# Allegro board 8880F5-0825_4.brd (continued)
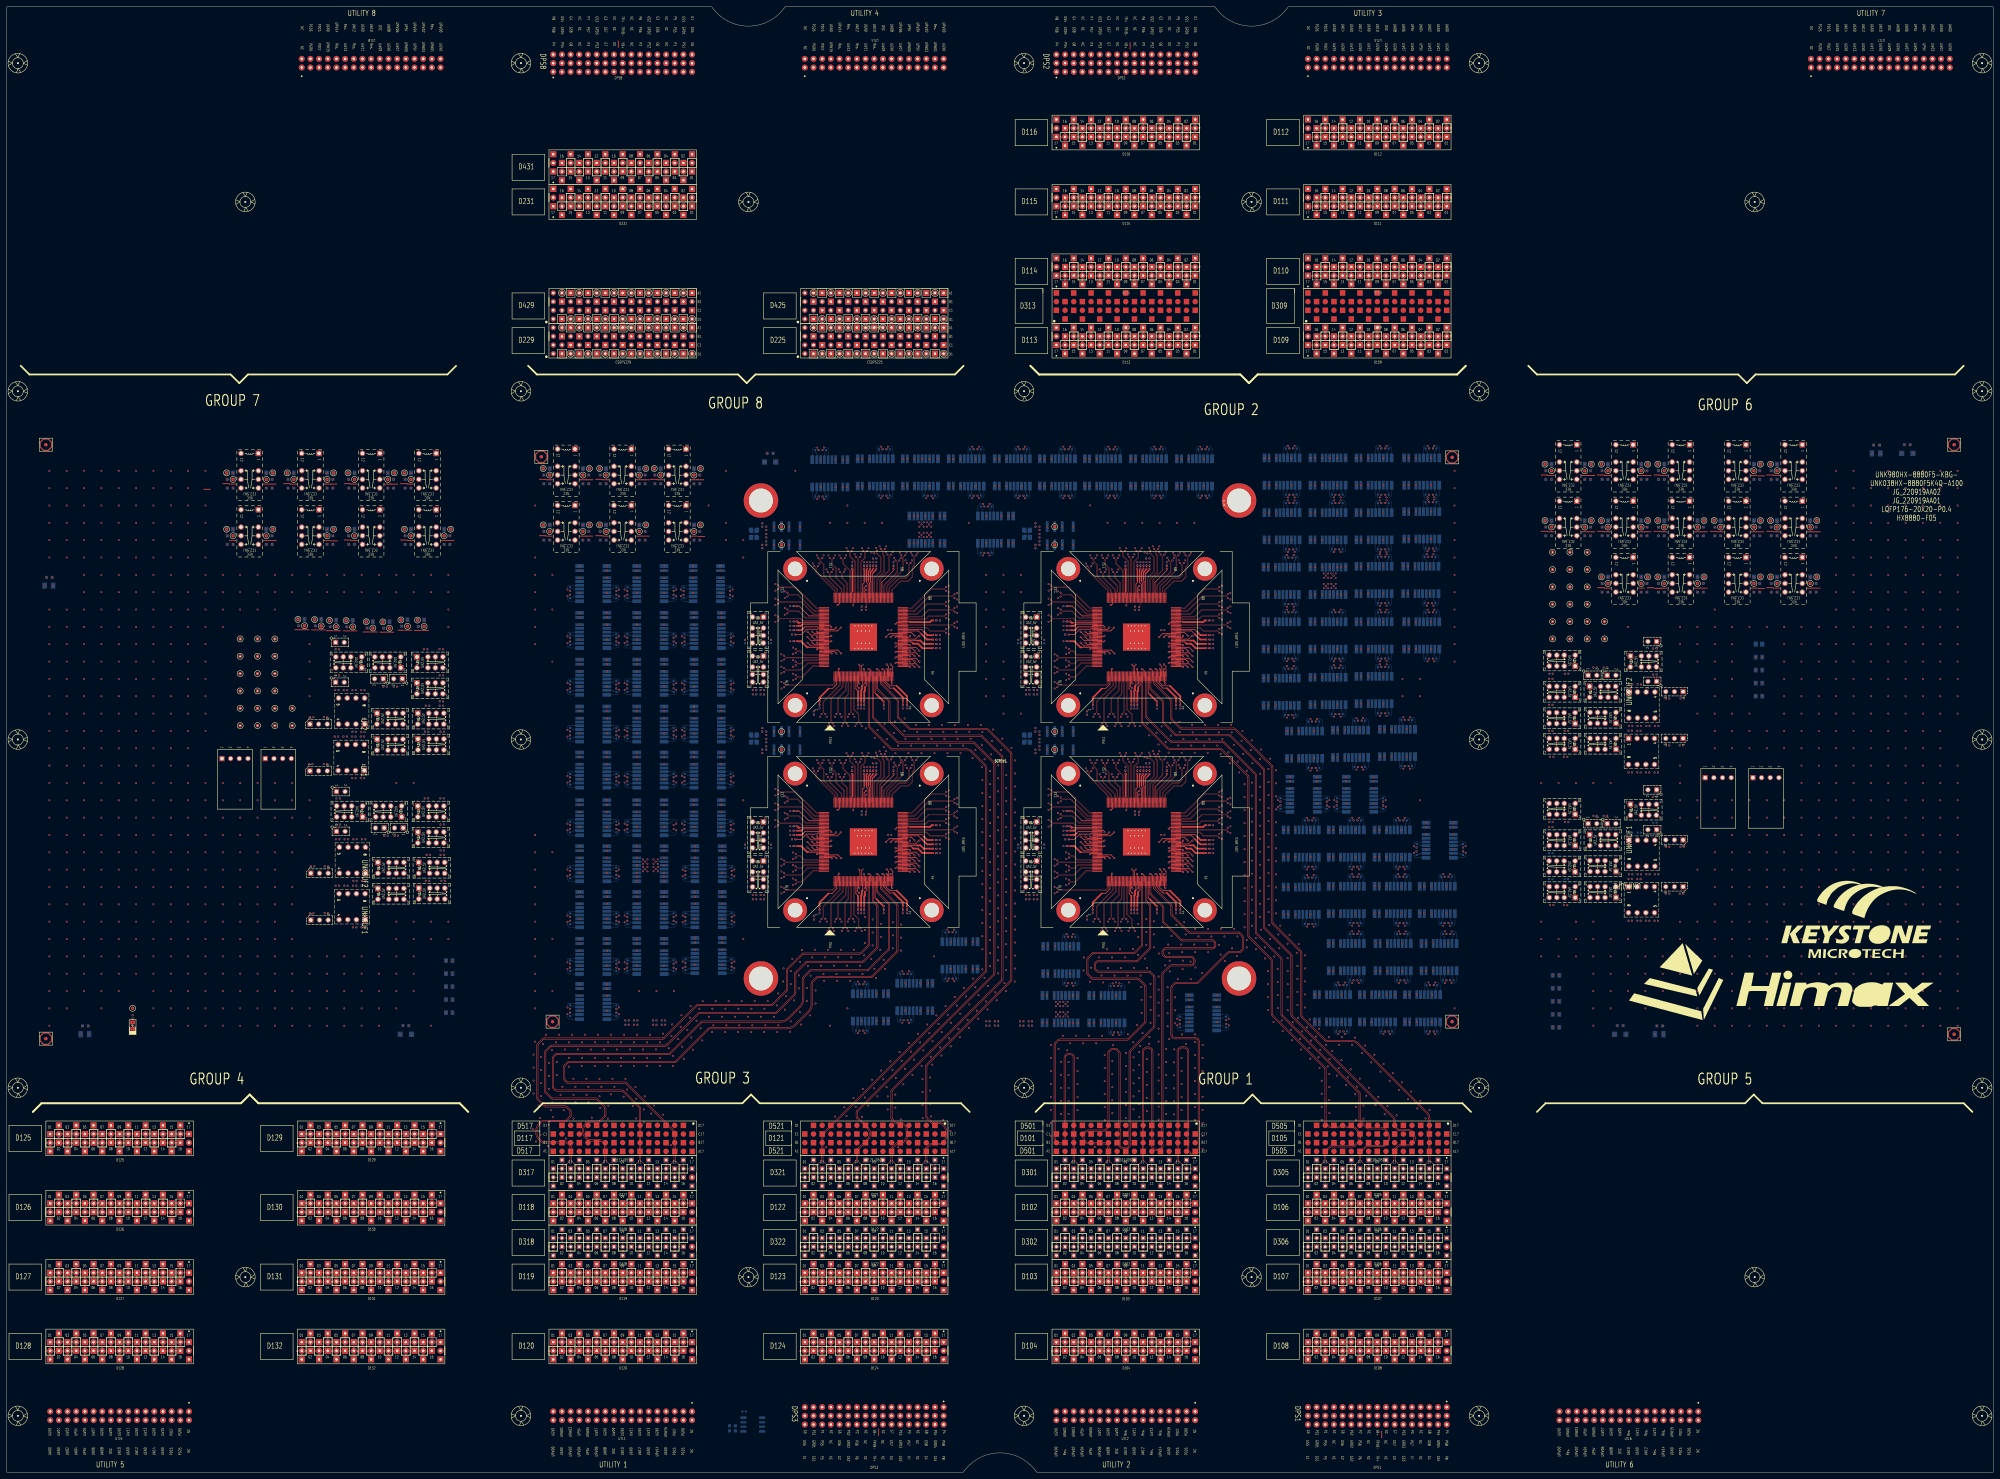
[diagram p0: board, top side]
## Routing (per net, layer and track width the routed paths; a pad name or vN(x,y) marks a point on that pad's centre or on a via; arc(x,y) is an arc through that point) (continued)
; D301.B15 343.61,88.9 ; D301.B15 342.9,89.61 ; D301.B15 342.9,88.19 ; D301.B15 342.19,88.9 ; 20.32,95.71 D125.A4 ; D125.A4 20.32,97.33 ; D125.A4 21.13,96.52 ; D125.A4 19.51,96.52 ; D114.B7 333.55,350.52 ; D114.B7 332.74,349.71 ; D114.B7 331.93,350.52 ; D114.B7 332.74,351.33 ; SITE1.G19 251.43,246.91 ; SITE1.G19 251.91,246.43 ; SITE1.G19 251.43,245.95 ; SITE1.G19 250.95,246.43 ; 401.32,375.11 D111.A9 ; D111.A9 401.32,376.73 ; D111.A9 402.13,375.92 ; D111.A9 400.51,375.92 ; DPS1.A01 381,14.78 ; DPS1.A01 381,13.16 ; DPS1.A01 381.81,13.97 ; DPS1.A01 380.19,13.97 ; 325.12,387.81 D116.B10 ; D116.B10 325.93,388.62 ; D116.B10 324.31,388.62 ; D116.B10 325.12,389.43 ; D302.A3 313.13,63.5 ; D302.A3 312.42,64.21 ; D302.A3 312.42,62.79 ; D302.A3 311.71,63.5 ; 325.12,55.07 D103.A8 ; D103.A8 324.31,55.88 ; D103.A8 325.12,56.69 ; D103.A8 325.93,55.88 ; D431.A1 200.66,386.89 ; D431.A1 200.66,385.27 ; D431.A1 199.85,386.08 ; D431.A1 201.47,386.08 ; 406.4,62.79 D306.A11 ; D306.A11 405.69,63.5 ; D306.A11 406.4,64.21 ; D306.A11 407.11,63.5 ; 309.88,60.15 D103.B2 ; D103.B2 309.88,61.77 ; D103.B2 309.07,60.96 ; D103.B2 310.69,60.96 ; D305.A13 412.19,83.82 ; D305.A13 411.48,83.11 ; D305.A13 411.48,84.53 ; D305.A13 410.77,83.82 ; 249.33,240.85 SITE1.G2 ; SITE1.G2 249.81,241.33 ; SITE1.G2 248.85,241.33 ; SITE1.G2 249.33,241.81 ; D126.A3 17.78,74.47 ; D126.A3 17.78,72.85 ; D126.A3 18.59,73.66 ; D126.A3 16.97,73.66 ; 263.45,83.82 D321.A13 ; D321.A13 264.87,83.82 ; D321.A13 264.16,83.11 ; D321.A13 264.16,84.53 ; D317.B3 165.1,89.61 ; D317.B3 164.39,88.9 ; D317.B3 165.1,88.19 ; D317.B3 165.81,88.9 ; D109.B13 391.97,330.2 ; D109.B13 391.16,331.01 ; D109.B13 391.16,329.39 ; D109.B13 390.35,330.2 ; 309.07,81.28 D102.B2 ; D102.B2 309.88,82.09 ; D102.B2 309.88,80.47 ; D102.B2 310.69,81.28 ; 390.35,33.02 D108.A5 ; D108.A5 391.16,33.83 ; D108.A5 391.97,33.02 ; D108.A5 391.16,32.21 ; D123.A10 257.35,55.88 ; D123.A10 255.73,55.88 ; D123.A10 256.54,56.69 ; D123.A10 256.54,55.07 ; D104.A7 323.39,33.02 ; D104.A7 322.58,33.83 ; D104.A7 322.58,32.21 ; D104.A7 321.77,33.02 ; 342.09,391.16 D116.B3 ; D116.B3 342.9,391.97 ; D116.B3 343.71,391.16 ; D116.B3 342.9,390.35 ; 189.69,340.36 CSDPS429.C5 ; CSDPS429.C5 190.5,339.55 ; CSDPS429.C5 191.31,340.36 ; CSDPS429.C5 190.5,341.17 ; 347.17,391.16 D116.B1 ; D116.B1 347.98,390.35 ; D116.B1 348.79,391.16 ; D116.B1 347.98,391.97 ; D122.B13 264.97,78.74 ; D122.B13 264.16,77.93 ; D122.B13 264.16,79.55 ; D122.B13 263.35,78.74 ; D318.A9 180.34,64.21 ; D318.A9 179.63,63.5 ; D318.A9 180.34,62.79 ; D318.A9 181.05,63.5 ; 190.5,52.53 D119.A13 ; D119.A13 190.5,54.15 ; D119.A13 189.69,53.34 ; D119.A13 191.31,53.34 ; D124.A14 266.7,36.37 ; D124.A14 266.7,34.75 ; D124.A14 265.89,35.56 ; D124.A14 267.51,35.56 ; 251.46,342.09 CSDPS425.B10 ; CSDPS425.B10 250.65,342.9 ; CSDPS425.B10 252.27,342.9 ; CSDPS425.B10 251.46,343.71 ; 385.27,375.92 D111.A15 ; D111.A15 386.08,376.73 ; D111.A15 386.08,375.11 ; D111.A15 386.89,375.92 ; 159.31,83.82 D317.A1 ; D317.A1 160.73,83.82 ; D317.A1 160.02,84.53 ; D317.A1 160.02,83.11 ; D123.B16 272.59,60.96 ; D123.B16 270.97,60.96 ; D123.B16 271.78,60.15 ; D123.B16 271.78,61.77 ; D302.B3 312.42,69.29 ; D302.B3 312.42,67.87 ; D302.B3 313.13,68.58 ; D302.B3 311.71,68.58 ; D125.B9 33.02,99.87 ; D125.B9 33.02,98.25 ; D125.B9 33.83,99.06 ; D125.B9 32.21,99.06 ; D123.B15 270.05,58.42 ; D123.B15 268.43,58.42 ; D123.B15 269.24,57.61 ; D123.B15 269.24,59.23 ; 20.32,75.39 D126.A4 ; D126.A4 20.32,77.01 ; D126.A4 19.51,76.2 ; D126.A4 21.13,76.2 ; 330.2,60.15 D103.B10 ; D103.B10 329.39,60.96 ; D103.B10 330.2,61.77 ; D103.B10 331.01,60.96 ; UNK4U2.4 482.49,172.45 ; UNK4U2.4 483.43,171.51 ; UNK4U2.4 482.49,170.56 ; UNK4U2.4 481.55,171.51 ; D111.A10 398.78,374.19 ; D111.A10 398.78,372.57 ; D111.A10 397.97,373.38 ; D111.A10 399.59,373.38 ; 179.63,83.82 D317.A9 ; D317.A9 180.34,84.53 ; D317.A9 181.05,83.82 ; D317.A9 180.34,83.11 ; 408.13,327.66 D109.B6 ; D109.B6 409.75,327.66 ; D109.B6 408.94,326.85 ; D109.B6 408.94,328.47 ; D126.A14 45.72,77.01 ; D126.A14 45.72,75.39 ; D126.A14 44.91,76.2 ; D126.A14 46.53,76.2 ; D102.A2 309.88,77.01 ; D102.A2 309.88,75.39 ; D102.A2 310.69,76.2 ; D102.A2 309.07,76.2 ; 121.11,99.06 D129.B15 ; D129.B15 121.92,98.25 ; D129.B15 122.73,99.06 ; D129.B15 121.92,99.87 ; D125.B12 41.45,101.6 ; D125.B12 40.64,100.79 ; D125.B12 40.64,102.41 ; D125.B12 39.83,101.6 ; D123.B9 254,59.23 ; D123.B9 254,57.61 ; D123.B9 254.81,58.42 ; D123.B9 253.19,58.42 ; D317.A6 172.72,87.07 ; D317.A6 172.01,86.36 ; D317.A6 172.72,85.65 ; D317.A6 173.43,86.36 ; D301.A4 314.96,87.07 ; D301.A4 315.67,86.36 ; D301.A4 314.25,86.36 ; D301.A4 314.96,85.65 ; SITE1.G9 250.81,247.93 ; SITE1.G9 249.85,247.93 ; SITE1.G9 250.33,247.45 ; SITE1.G9 250.33,248.41 ; D109.B5 412.29,330.2 ; D109.B5 410.67,330.2 ; D109.B5 411.48,331.01 ; D109.B5 411.48,329.39 ; D131.A9 107.49,53.34 ; D131.A9 105.87,53.34 ; D131.A9 106.68,52.53 ; D131.A9 106.68,54.15 ; D318.B7 175.26,69.29 ; D318.B7 174.55,68.58 ; D318.B7 175.26,67.87 ; D318.B7 175.97,68.58 ; 255.73,342.9 CSDPS425.B8 ; CSDPS425.B8 257.35,342.9 ; CSDPS425.B8 256.54,342.09 ; CSDPS425.B8 256.54,343.71 ; CSDPS229.B14 167.64,333.55 ; CSDPS229.B14 167.64,331.93 ; CSDPS229.B14 166.83,332.74 ; CSDPS229.B14 168.45,332.74 ; D126.A8 31.29,76.2 ; D126.A8 30.48,77.01 ; D126.A8 29.67,76.2 ; D126.A8 30.48,75.39 ; D128.B4 21.13,40.64 ; D128.B4 19.51,40.64 ; D128.B4 20.32,41.45 ; D128.B4 20.32,39.83 ; SITE4.G16 333.11,182.83 ; SITE4.G16 332.63,183.31 ; SITE4.G16 332.15,182.83 ; SITE4.G16 332.63,182.35 ; 416.56,354.79 D110.A3 ; D110.A3 415.75,355.6 ; D110.A3 416.56,356.41 ; D110.A3 417.37,355.6 ; D317.A10 183.59,86.36 ; D317.A10 182.88,87.07 ; D317.A10 182.17,86.36 ; D317.A10 182.88,85.65 ; 411.48,370.03 D111.B5 ; D111.B5 411.48,371.65 ; D111.B5 412.29,370.84 ; D111.B5 410.67,370.84 ; D103.B4 315.77,60.96 ; D103.B4 314.15,60.96 ; D103.B4 314.96,61.77 ; D103.B4 314.96,60.15 ; 169.37,386.08 D431.A13 ; D431.A13 170.18,386.89 ; D431.A13 170.99,386.08 ; D431.A13 170.18,385.27 ; 123.65,60.96 D131.B16 ; D131.B16 125.27,60.96 ; D131.B16 124.46,61.77 ; D131.B16 124.46,60.15 ; 195.58,385.27 D431.A3 ; D431.A3 195.58,386.89 ; D431.A3 196.39,386.08 ; D431.A3 194.77,386.08 ; 330.2,367.49 D115.B8 ; D115.B8 330.2,369.11 ; D115.B8 331.01,368.3 ; D115.B8 329.39,368.3 ; 197.41,91.44 D317.B16 ; D317.B16 198.83,91.44 ; D317.B16 198.12,90.73 ; D317.B16 198.12,92.15 ; D103.B12 335.28,61.77 ; D103.B12 336.09,60.96 ; D103.B12 334.47,60.96 ; D103.B12 335.28,60.15 ; 342.9,354.79 D114.A3 ; D114.A3 342.09,355.6 ; D114.A3 342.9,356.41 ; D114.A3 343.71,355.6 ; D129.B12 115.11,101.6 ; D129.B12 114.3,100.79 ; D129.B12 113.49,101.6 ; D129.B12 114.3,102.41 ; D305.B15 416.56,89.61 ; D305.B15 416.56,88.19 ; D305.B15 415.85,88.9 ; D305.B15 417.27,88.9 ; 401.32,88.19 D305.B9 ; D305.B9 400.61,88.9 ; D305.B9 402.03,88.9 ; D305.B9 401.32,89.61 ; 189.69,330.2 CSDPS229.C5 ; CSDPS229.C5 191.31,330.2 ; CSDPS229.C5 190.5,331.01 ; CSDPS229.C5 190.5,329.39 ; 177.8,80.47 D118.B8 ; D118.B8 177.8,82.09 ; D118.B8 176.99,81.28 ; D118.B8 178.61,81.28 ; 187.15,76.2 D118.A12 ; D118.A12 188.77,76.2 ; D118.A12 187.96,77.01 ; D118.A12 187.96,75.39 ; D119.A14 193.04,56.69 ; D119.A14 193.85,55.88 ; D119.A14 192.23,55.88 ; D119.A14 193.04,55.07 ; D132.A12 114.3,36.37 ; D132.A12 115.11,35.56 ; D132.A12 114.3,34.75 ; D132.A12 113.49,35.56 ; D108.B15 416.56,38.91 ; D108.B15 417.37,38.1 ; D108.B15 415.75,38.1 ; D108.B15 416.56,37.29 ; 88.9,100.79 D129.B2 ; D129.B2 88.09,101.6 ; D129.B2 88.9,102.41 ; D129.B2 89.71,101.6 ; 400.61,83.82 D305.A9 ; D305.A9 401.32,83.11 ; D305.A9 402.03,83.82 ; D305.A9 401.32,84.53 ; 116.03,93.98 D129.A13 ; D129.A13 116.84,93.17 ; D129.A13 117.65,93.98 ; D129.A13 116.84,94.79 ; D118.B7 175.26,79.55 ; D118.B7 175.26,77.93 ; D118.B7 174.45,78.74 ; D118.B7 176.07,78.74 ; D118.A9 181.15,73.66 ; D118.A9 180.34,72.85 ; D118.A9 179.53,73.66 ; D118.A9 180.34,74.47 ; D302.B6 320.04,71.83 ; D302.B6 319.33,71.12 ; D302.B6 320.04,70.41 ; D302.B6 320.75,71.12 ; 251.43,242.35 SITE1.G15 ; SITE1.G15 250.95,242.83 ; SITE1.G15 251.43,243.31 ; SITE1.G15 251.91,242.83 ; D231.B1 201.47,370.84 ; D231.B1 200.66,370.03 ; D231.B1 200.66,371.65 ; D231.B1 199.85,370.84 ; 332.63,185.95 SITE4.G20 ; SITE4.G20 333.11,186.43 ; SITE4.G20 332.15,186.43 ; SITE4.G20 332.63,186.91 ; D110.B11 397.05,350.52 ; D110.B11 395.43,350.52 ; D110.B11 396.24,349.71 ; D110.B11 396.24,351.33 ; D130.B5 96.52,79.55 ; D130.B5 97.33,78.74 ; D130.B5 96.52,77.93 ; D130.B5 95.71,78.74 ; D118.B1 160.83,78.74 ; D118.B1 160.02,79.55 ; D118.B1 160.02,77.93 ; D118.B1 159.21,78.74 ; 200.66,339.55 CSDPS429.C1 ; CSDPS429.C1 199.85,340.36 ; CSDPS429.C1 200.66,341.17 ; CSDPS429.C1 201.47,340.36 ; 325.12,65.33 D302.A8 ; D302.A8 324.41,66.04 ; D302.A8 325.83,66.04 ; D302.A8 325.12,66.75 ; 95.71,99.06 D129.B5 ; D129.B5 97.33,99.06 ; D129.B5 96.52,98.25 ; D129.B5 96.52,99.87 ; 335.28,347.17 D114.B6 ; D114.B6 334.47,347.98 ; D114.B6 335.28,348.79 ; D114.B6 336.09,347.98 ; 264.16,72.85 D122.A13 ; D122.A13 263.35,73.66 ; D122.A13 264.97,73.66 ; D122.A13 264.16,74.47 ; D231.B13 170.18,371.65 ; D231.B13 169.37,370.84 ; D231.B13 170.18,370.03 ; D231.B13 170.99,370.84 ; SITE3.G19 251.91,186.43 ; SITE3.G19 251.43,185.95 ; SITE3.G19 250.95,186.43 ; SITE3.G19 251.43,186.91 ; 182.17,66.04 D318.A10 ; D318.A10 182.88,65.33 ; D318.A10 182.88,66.75 ; D318.A10 183.59,66.04 ; DPS8.C11 176.07,410.21 ; DPS8.C11 175.26,409.4 ; DPS8.C11 174.45,410.21 ; DPS8.C11 175.26,411.02 ; CSDPS229.C15 165.1,331.01 ; CSDPS229.C15 165.1,329.39 ; CSDPS229.C15 164.29,330.2 ; CSDPS229.C15 165.91,330.2 ; 99.06,55.07 D131.A6 ; D131.A6 98.25,55.88 ; D131.A6 99.87,55.88 ; D131.A6 99.06,56.69 ; D110.A10 399.59,353.06 ; D110.A10 397.97,353.06 ; D110.A10 398.78,352.25 ; D110.A10 398.78,353.87 ; 337.01,53.34 D103.A13 ; D103.A13 338.63,53.34 ; D103.A13 337.82,54.15 ; D103.A13 337.82,52.53 ; D119.B3 165.91,58.42 ; D119.B3 165.1,57.61 ; D119.B3 165.1,59.23 ; D119.B3 164.29,58.42 ; 322.58,329.39 D113.B11 ; D113.B11 322.58,331.01 ; D113.B11 321.77,330.2 ; D113.B11 323.39,330.2 ; D231.A3 195.58,376.73 ; D231.A3 194.77,375.92 ; D231.A3 196.39,375.92 ; D231.A3 195.58,375.11 ; D127.B15 49.07,58.42 ; D127.B15 47.45,58.42 ; D127.B15 48.26,59.23 ; D127.B15 48.26,57.61 ; 123.65,35.56 D132.A16 ; D132.A16 124.46,36.37 ; D132.A16 125.27,35.56 ; D132.A16 124.46,34.75 ; 311.61,391.16 D116.B15 ; D116.B15 313.23,391.16 ; D116.B15 312.42,390.35 ; D116.B15 312.42,391.97 ; 161.85,71.12 D318.B2 ; D318.B2 162.56,71.83 ; D318.B2 163.27,71.12 ; D318.B2 162.56,70.41 ; D119.B6 173.53,60.96 ; D119.B6 172.72,60.15 ; D119.B6 171.91,60.96 ; D119.B6 172.72,61.77 ; 333.33,187.45 SITE4.G12 ; SITE4.G12 333.81,187.93 ; SITE4.G12 332.85,187.93 ; SITE4.G12 333.33,188.41 ; D109.A7 406.4,336.09 ; D109.A7 405.59,335.28 ; D109.A7 407.21,335.28 ; D109.A7 406.4,334.47 ; D317.A16 198.83,86.36 ; D317.A16 198.12,87.07 ; D317.A16 198.12,85.65 ; D317.A16 197.41,86.36 ; 32.21,93.98 D125.A9 ; D125.A9 33.02,93.17 ; D125.A9 33.02,94.79 ; D125.A9 33.83,93.98 ; 248.21,88.9 D321.B7 ; D321.B7 249.63,88.9 ; D321.B7 248.92,88.19 ; D321.B7 248.92,89.61 ; D322.B5 244.55,68.58 ; D322.B5 243.84,69.29 ; D322.B5 243.84,67.87 ; D322.B5 243.13,68.58 ; D124.B13 264.97,38.1 ; D124.B13 264.16,38.91 ; D124.B13 263.35,38.1 ; D124.B13 264.16,37.29 ; 185.42,370.03 D231.B7 ; D231.B7 185.42,371.65 ; D231.B7 184.61,370.84 ; D231.B7 186.23,370.84 ; 248.92,37.29 D124.B7 ; D124.B7 249.73,38.1 ; D124.B7 248.92,38.91 ; D124.B7 248.11,38.1 ; D127.A12 41.45,55.88 ; D127.A12 40.64,56.69 ; D127.A12 40.64,55.07 ; D127.A12 39.83,55.88 ; 319.23,373.38 D115.A12 ; D115.A12 320.04,372.57 ; D115.A12 320.04,374.19 ; D115.A12 320.85,373.38 ; 200.66,375.11 D231.A1 ; D231.A1 199.85,375.92 ; D231.A1 201.47,375.92 ; D231.A1 200.66,376.73 ; 187.96,331.93 CSDPS229.B6 ; CSDPS229.B6 188.77,332.74 ; CSDPS229.B6 187.15,332.74 ; CSDPS229.B6 187.96,333.55 ; 326.85,58.42 D103.B9 ; D103.B9 328.47,58.42 ; D103.B9 327.66,59.23 ; D103.B9 327.66,57.61 ; 322.58,349.71 D114.B11 ; D114.B11 322.58,351.33 ; D114.B11 321.77,350.52 ; D114.B11 323.39,350.52 ; 250.75,86.36 D321.A8 ; D321.A8 252.17,86.36 ; D321.A8 251.46,87.07 ; D321.A8 251.46,85.65 ; CSDPS425.C15 239.57,340.36 ; CSDPS425.C15 238.76,341.17 ; CSDPS425.C15 238.76,339.55 ; CSDPS425.C15 237.95,340.36 ; D114.B5 337.82,351.33 ; D114.B5 338.63,350.52 ; D114.B5 337.01,350.52 ; D114.B5 337.82,349.71 ; 96.52,32.21 D132.A5 ; D132.A5 96.52,33.83 ; D132.A5 95.71,33.02 ; D132.A5 97.33,33.02 ; 104.14,80.47 D130.B8 ; D130.B8 103.33,81.28 ; D130.B8 104.14,82.09 ; D130.B8 104.95,81.28 ; 339.55,76.2 D102.A14 ; D102.A14 341.17,76.2 ; D102.A14 340.36,75.39 ; D102.A14 340.36,77.01 ; D122.B10 256.54,82.09 ; D122.B10 255.73,81.28 ; D122.B10 257.35,81.28 ; D122.B10 256.54,80.47 ; 411.48,37.29 D108.B13 ; D108.B13 410.67,38.1 ; D108.B13 411.48,38.91 ; D108.B13 412.29,38.1 ; 415.75,53.34 D107.A15 ; D107.A15 416.56,52.53 ; D107.A15 416.56,54.15 ; D107.A15 417.37,53.34 ; D108.A11 407.21,33.02 ; D108.A11 406.4,32.21 ; D108.A11 405.59,33.02 ; D108.A11 406.4,33.83 ; D112.B12 393.7,389.43 ; D112.B12 392.89,388.62 ; D112.B12 394.51,388.62 ; D112.B12 393.7,387.81 ; D305.B13 411.48,89.61 ; D305.B13 410.77,88.9 ; D305.B13 411.48,88.19 ; D305.B13 412.19,88.9 ; 383.54,372.57 D111.A16 ; D111.A16 382.73,373.38 ; D111.A16 383.54,374.19 ; D111.A16 384.35,373.38 ; 327.85,181.33 SITE4.G1 ; SITE4.G1 328.33,181.81 ; SITE4.G1 328.33,180.85 ; SITE4.G1 328.81,181.33 ; 344.63,35.56 D104.A16 ; D104.A16 345.44,34.75 ; D104.A16 346.25,35.56 ; D104.A16 345.44,36.37 ; CSDPS429.C9 181.15,340.36 ; CSDPS429.C9 179.53,340.36 ; CSDPS429.C9 180.34,341.17 ; CSDPS429.C9 180.34,339.55 ; D122.B11 259.08,79.55 ; D122.B11 258.27,78.74 ; D122.B11 259.08,77.93 ; D122.B11 259.89,78.74 ; D108.B16 419.1,41.45 ; D108.B16 419.1,39.83 ; D108.B16 418.29,40.64 ; D108.B16 419.91,40.64 ; D322.A3 239.47,63.5 ; D322.A3 238.76,64.21 ; D322.A3 238.05,63.5 ; D322.A3 238.76,62.79 ; D306.A1 381,64.21 ; D306.A1 381,62.79 ; D306.A1 381.71,63.5 ; D306.A1 380.29,63.5 ; D127.A11 38.91,53.34 ; D127.A11 38.1,54.15 ; D127.A11 38.1,52.53 ; D127.A11 37.29,53.34 ; 345.44,326.85 D113.B2 ; D113.B2 344.63,327.66 ; D113.B2 346.25,327.66 ; D113.B2 345.44,328.47 ; 108.41,60.96 D131.B10 ; D131.B10 109.22,61.77 ; D131.B10 110.03,60.96 ; D131.B10 109.22,60.15 ; 334.47,35.56 D104.A12 ; D104.A12 335.28,36.37 ; D104.A12 335.28,34.75 ; D104.A12 336.09,35.56 ; 396.24,395.43 D112.A11 ; D112.A11 395.43,396.24 ; D112.A11 396.24,397.05 ; D112.A11 397.05,396.24 ; D109.B16 383.54,328.47 ; D109.B16 382.73,327.66 ; D109.B16 384.35,327.66 ; D109.B16 383.54,326.85 ; 99.06,39.83 D132.B6 ; D132.B6 99.06,41.45 ; D132.B6 99.87,40.64 ; D132.B6 98.25,40.64 ; D301.A2 310.59,86.36 ; D301.A2 309.17,86.36 ; D301.A2 309.88,87.07 ; D301.A2 309.88,85.65 ; 237.95,38.1 D124.B3 ; D124.B3 238.76,38.91 ; D124.B3 239.57,38.1 ; D124.B3 238.76,37.29 ; 50.8,55.07 D127.A16 ; D127.A16 49.99,55.88 ; D127.A16 51.61,55.88 ; D127.A16 50.8,56.69 ; SITE3.G1 248.33,181.81 ; SITE3.G1 247.85,181.33 ; SITE3.G1 248.33,180.85 ; SITE3.G1 248.81,181.33 ; 268.53,83.82 D321.A15 ; D321.A15 269.24,84.53 ; D321.A15 269.95,83.82 ; D321.A15 269.24,83.11 ; D118.B16 198.12,82.09 ; D118.B16 198.93,81.28 ; D118.B16 198.12,80.47 ; D118.B16 197.31,81.28 ; 253.29,63.5 D322.A9 ; D322.A9 254,62.79 ; D322.A9 254,64.21 ; D322.A9 254.71,63.5 ; 259.08,67.87 D322.B11 ; D322.B11 259.08,69.29 ; D322.B11 259.79,68.58 ; D322.B11 258.37,68.58 ; D305.A8 399.49,86.36 ; D305.A8 398.78,85.65 ; D305.A8 398.78,87.07 ; D305.A8 398.07,86.36 ; 159.21,73.66 D118.A1 ; D118.A1 160.83,73.66 ; D118.A1 160.02,72.85 ; D118.A1 160.02,74.47 ; 418.29,327.66 D109.B2 ; D109.B2 419.1,328.47 ; D109.B2 419.91,327.66 ; D109.B2 419.1,326.85 ; D104.B1 307.34,38.91 ; D104.B1 308.15,38.1 ; D104.B1 307.34,37.29 ; D104.B1 306.53,38.1 ; CSDPS429.B2 198.93,342.9 ; CSDPS429.B2 197.31,342.9 ; CSDPS429.B2 198.12,343.71 ; CSDPS429.B2 198.12,342.09 ; 406.4,77.93 D106.B11 ; D106.B11 405.59,78.74 ; D106.B11 406.4,79.55 ; D106.B11 407.21,78.74 ; D318.A15 196.29,63.5 ; D318.A15 194.87,63.5 ; D318.A15 195.58,64.21 ; D318.A15 195.58,62.79 ; 240.49,332.74 CSDPS225.B14 ; CSDPS225.B14 241.3,331.93 ; CSDPS225.B14 242.11,332.74 ; CSDPS225.B14 241.3,333.55 ; D318.A8 177.8,66.75 ; D318.A8 177.8,65.33 ; D318.A8 178.51,66.04 ; D318.A8 177.09,66.04 ; 199.85,381 D431.B1 ; D431.B1 200.66,381.81 ; D431.B1 201.47,381 ; D431.B1 200.66,380.19 ; D127.B10 35.56,61.77 ; D127.B10 36.37,60.96 ; D127.B10 35.56,60.15 ; D127.B10 34.75,60.96 ; 119.38,34.75 D132.A14 ; D132.A14 119.38,36.37 ; D132.A14 120.19,35.56 ; D132.A14 118.57,35.56 ; 403.15,66.04 D306.A10 ; D306.A10 404.57,66.04 ; D306.A10 403.86,65.33 ; D306.A10 403.86,66.75 ; 27.13,33.02 D128.A7 ; D128.A7 27.94,33.83 ; D128.A7 27.94,32.21 ; D128.A7 28.75,33.02 ; D127.B5 23.67,58.42 ; D127.B5 22.05,58.42 ; D127.B5 22.86,57.61 ; D127.B5 22.86,59.23 ; 232.87,78.74 D122.B1 ; D122.B1 233.68,79.55 ; D122.B1 233.68,77.93 ; D122.B1 234.49,78.74 ; 259.08,52.53 D123.A11 ; D123.A11 259.08,54.15 ; D123.A11 258.27,53.34 ; D123.A11 259.89,53.34 ; 197.31,378.46 D431.B2 ; D431.B2 198.12,377.65 ; D431.B2 198.93,378.46 ; D431.B2 198.12,379.27 ; D130.A5 96.52,74.47 ; D130.A5 95.71,73.66 ; D130.A5 96.52,72.85 ; D130.A5 97.33,73.66 ; D108.A1 381,33.83 ; D108.A1 380.19,33.02 ; D108.A1 381,32.21 ; D108.A1 381.81,33.02 ; 388.62,85.65 D305.A4 ; D305.A4 389.33,86.36 ; D305.A4 388.62,87.07 ; D305.A4 387.91,86.36 ; 240.49,60.96 D123.B4 ; D123.B4 241.3,60.15 ; D123.B4 241.3,61.77 ; D123.B4 242.11,60.96 ; D123.B6 247.19,60.96 ; D123.B6 245.57,60.96 ; D123.B6 246.38,60.15 ; D123.B6 246.38,61.77 ; 252.63,185.95 SITE3.G20 ; SITE3.G20 252.15,186.43 ; SITE3.G20 253.11,186.43 ; SITE3.G20 252.63,186.91 ; D131.A3 91.44,54.15 ; D131.A3 90.63,53.34 ; D131.A3 91.44,52.53 ; D131.A3 92.25,53.34 ; D115.B14 314.96,369.11 ; D115.B14 315.77,368.3 ; D115.B14 314.15,368.3 ; D115.B14 314.96,367.49 ; 162.56,90.73 D317.B2 ; D317.B2 162.56,92.15 ; D317.B2 163.27,91.44 ; D317.B2 161.85,91.44 ; D122.B16 271.78,82.09 ; D122.B16 271.78,80.47 ; D122.B16 272.59,81.28 ; D122.B16 270.97,81.28 ; 165.1,52.53 D119.A3 ; D119.A3 165.91,53.34 ; D119.A3 165.1,54.15 ; D119.A3 164.29,53.34 ; 337.82,414.48 DPS2.A05 ; DPS2.A05 338.63,415.29 ; DPS2.A05 337.82,416.1 ; DPS2.A05 337.01,415.29 ; SITE4.G4 331.33,181.81 ; SITE4.G4 330.85,181.33 ; SITE4.G4 331.33,180.85 ; SITE4.G4 331.81,181.33 ; 44.91,35.56 D128.A14 ; D128.A14 45.72,34.75 ; D128.A14 45.72,36.37 ; D128.A14 46.53,35.56 ; 327.66,370.03 D115.B9 ; D115.B9 326.85,370.84 ; D115.B9 327.66,371.65 ; D115.B9 328.47,370.84 ; D301.A7 323.29,83.82 ; D301.A7 321.87,83.82 ; D301.A7 322.58,83.11 ; D301.A7 322.58,84.53 ; 316.69,38.1 D104.B5 ; D104.B5 318.31,38.1 ; D104.B5 317.5,37.29 ; D104.B5 317.5,38.91 ; 340.36,347.17 D114.B4 ; D114.B4 339.55,347.98 ; D114.B4 341.17,347.98 ; D114.B4 340.36,348.79 ; 251.46,34.75 D124.A8 ; D124.A8 252.27,35.56 ; D124.A8 250.65,35.56 ; D124.A8 251.46,36.37 ; D123.A15 270.05,53.34 ; D123.A15 269.24,54.15 ; D123.A15 269.24,52.53 ; D123.A15 268.43,53.34 ; 194.87,88.9 D317.B15 ; D317.B15 195.58,89.61 ; D317.B15 195.58,88.19 ; D317.B15 196.29,88.9 ; 408.94,372.57 D111.A6 ; D111.A6 408.13,373.38 ; D111.A6 408.94,374.19 ; D111.A6 409.75,373.38 ; 324.31,393.7 D116.A10 ; D116.A10 325.12,392.89 ; D116.A10 325.12,394.51 ; D116.A10 325.93,393.7 ; 250.65,332.74 CSDPS225.B10 ; CSDPS225.B10 251.46,331.93 ; CSDPS225.B10 251.46,333.55 ; CSDPS225.B10 252.27,332.74 ; D124.B4 241.3,41.45 ; D124.B4 242.11,40.64 ; D124.B4 240.49,40.64 ; D124.B4 241.3,39.83 ; D127.B2 16.05,60.96 ; D127.B2 14.43,60.96 ; D127.B2 15.24,60.15 ; D127.B2 15.24,61.77 ; 268.43,19.05 DPS3.C15 ; DPS3.C15 269.24,19.86 ; DPS3.C15 270.05,19.05 ; DPS3.C15 269.24,18.24 ; 309.88,352.25 D114.A16 ; D114.A16 309.07,353.06 ; D114.A16 310.69,353.06 ; D114.A16 309.88,353.87 ; 342.09,350.52 D114.B3 ; D114.B3 343.71,350.52 ; D114.B3 342.9,349.71 ; D114.B3 342.9,351.33 ; D318.A2 163.27,66.04 ; D318.A2 161.85,66.04 ; D318.A2 162.56,66.75 ; D318.A2 162.56,65.33 ; 113.49,40.64 D132.B12 ; D132.B12 115.11,40.64 ; D132.B12 114.3,41.45 ; D132.B12 114.3,39.83 ; 329.39,76.2 